# Allegro board 6089-103-RevB_76.brd (continued)
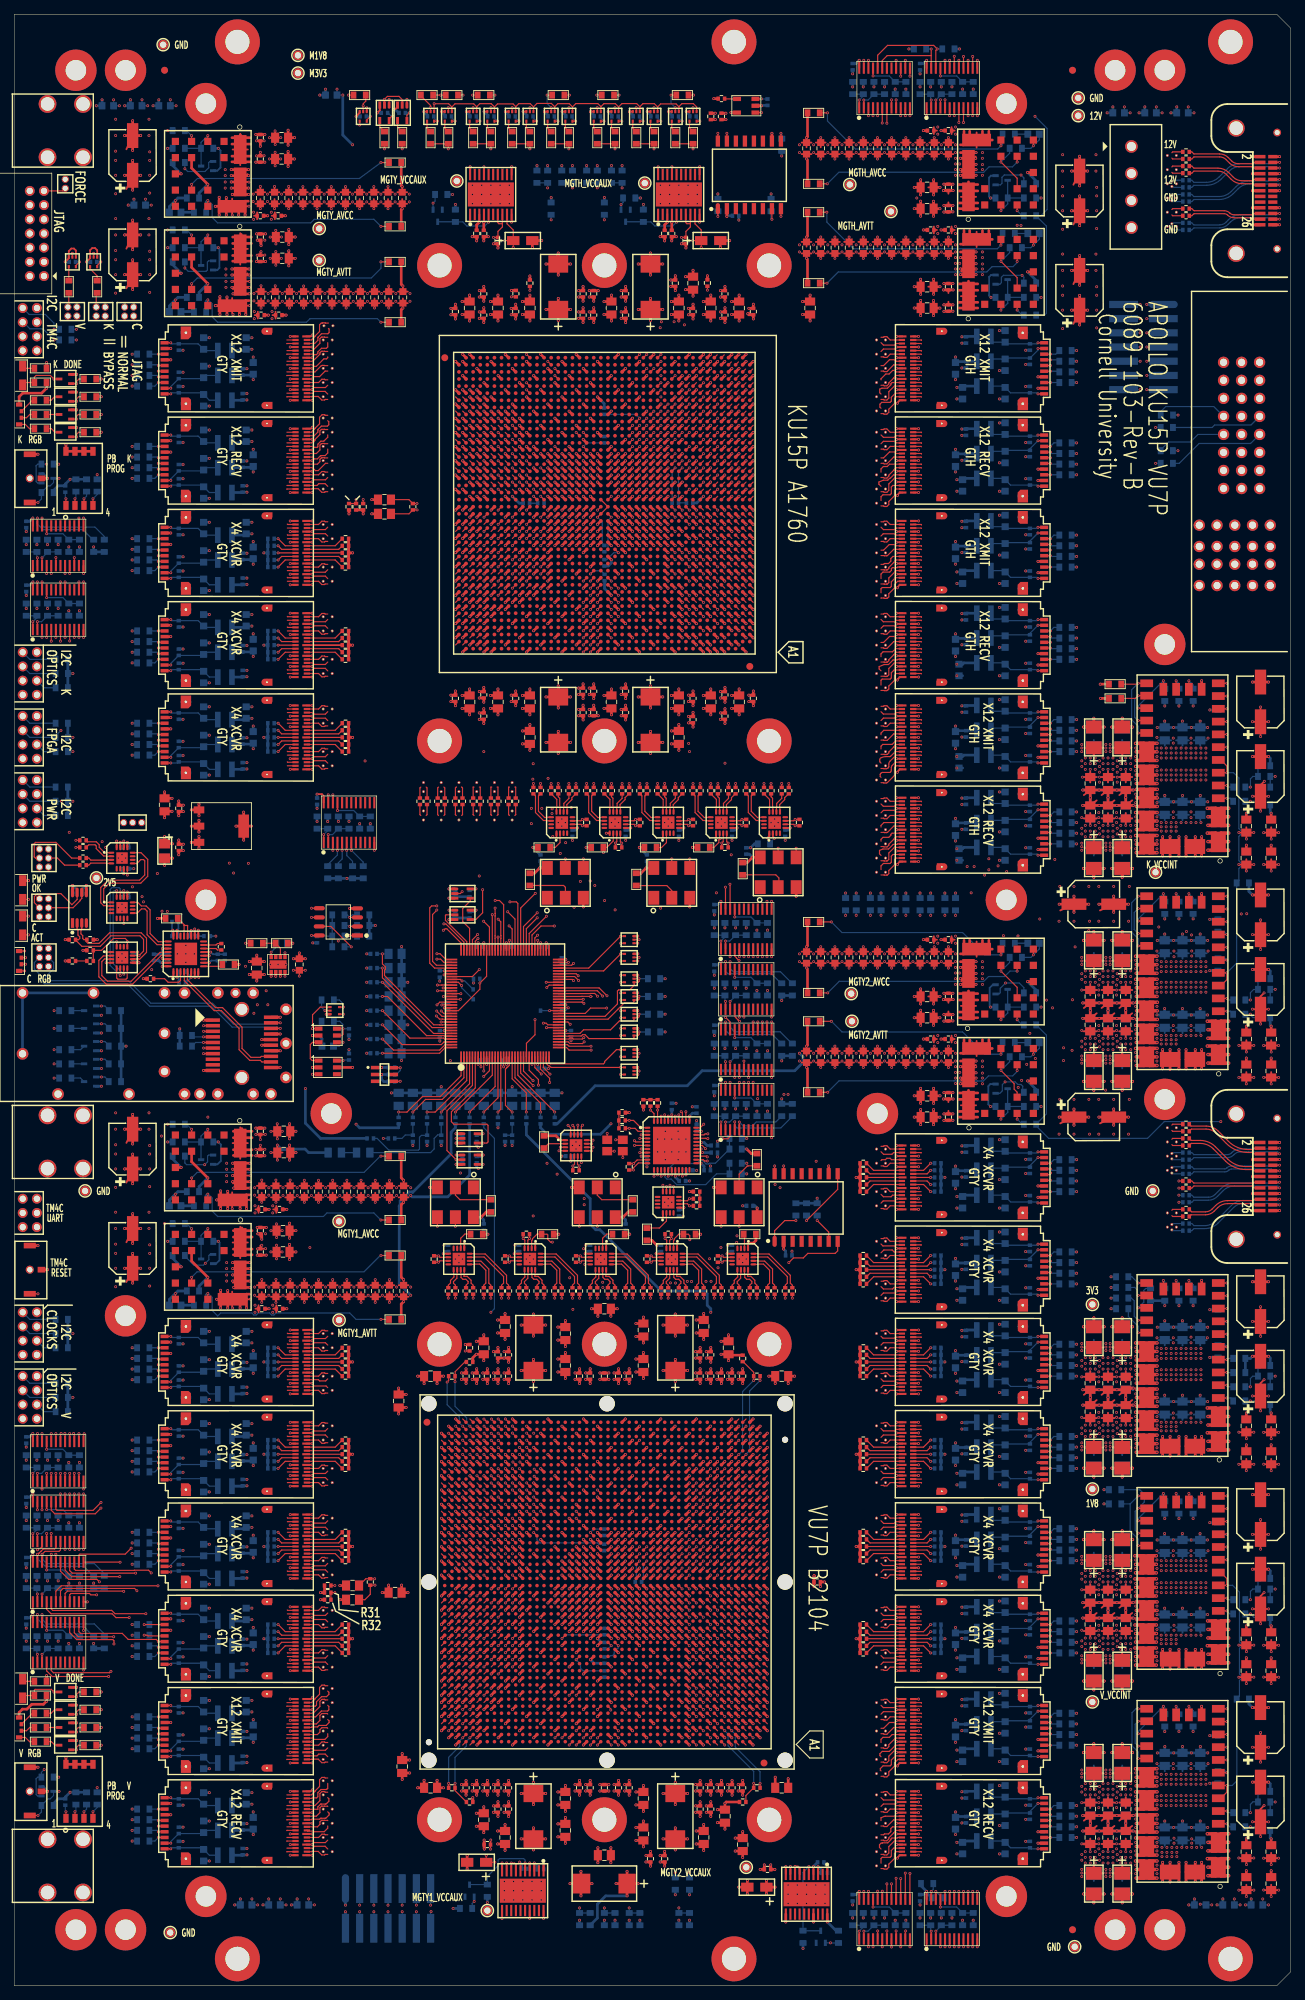
[diagram p0: board, top side]
## Footprints (pads in the part's own frame, mm; a bottom-side part is the same pattern mirrored in y, then rotated) (continued)
FPGA_B2104_IRONWOOD_6444
  round 2.184 hole 2.21 unplated: (-25.476,25.121) (-25.476,0) (-25.476,-25.121) (-0.381,25.121) (-0.381,-25.121) (24.74,25.121) (24.74,0) (24.74,-25.121)
  round 0.864 hole 0.864 unplated: (-25.476,-20.041) (24.74,22.581)
  round 6.35 hole 3.404: (-23.241,33.503) (-23.241,-33.503) (0,33.503) (0,-33.503) (23.241,33.503) (23.241,-33.503)
  round 0.991 smd: (-22.506,25.506) (25.006,-22.506)
  round 0.508 smd: A3(-20.498,22.504) A4(-19.507,22.504) A5(-18.491,22.504) A6(-17.501,22.504) A7(-16.51,22.504) A8(-15.494,22.504) A9(-14.503,22.504) A10(-13.487,22.504) A11(-12.497,22.504) A12(-11.506,22.504) A13(-10.49,22.504) A14(-9.5,22.504) A15(-8.509,22.504) A16(-7.493,22.504) A17(-6.502,22.504) A18(-5.512,22.504) A19(-4.496,22.504) A20(-3.505,22.504) A21(-2.489,22.504) A22(-1.499,22.504) A23(-0.508,22.504) A24(0.508,22.504) A25(1.499,22.504) A26(2.489,22.504) A27(3.505,22.504) A28(4.496,22.504) A29(5.512,22.504) A30(6.502,22.504) A31(7.493,22.504) A32(8.509,22.504) A33(9.5,22.504) A34(10.49,22.504) A35(11.506,22.504) A36(12.497,22.504) A37(13.487,22.504) A38(14.503,22.504) A39(15.494,22.504) A40(16.51,22.504) A41(17.501,22.504) A42(18.491,22.504) A43(19.507,22.504) A44(20.498,22.504) AA1(-22.504,2.489) AA2(-21.488,2.489) AA3(-20.498,2.489) AA4(-19.507,2.489) AA5(-18.491,2.489) AA6(-17.501,2.489) AA7(-16.51,2.489) AA8(-15.494,2.489) AA9(-14.503,2.489) AA10(-13.487,2.489) AA11(-12.497,2.489) AA12(-11.506,2.489) AA13(-10.49,2.489) AA14(-9.5,2.489) AA15(-8.509,2.489) AA16(-7.493,2.489) AA17(-6.502,2.489) AA18(-5.512,2.489) AA19(-4.496,2.489) AA20(-3.505,2.489) AA21(-2.489,2.489) AA22(-1.499,2.489) AA23(-0.508,2.489) AA24(0.508,2.489) AA25(1.499,2.489) AA26(2.489,2.489) AA27(3.505,2.489) AA28(4.496,2.489) AA29(5.512,2.489) AA30(6.502,2.489) AA31(7.493,2.489) AA32(8.509,2.489) AA33(9.5,2.489) AA34(10.49,2.489) AA35(11.506,2.489) AA36(12.497,2.489) AA37(13.487,2.489) AA38(14.503,2.489) AA39(15.494,2.489) AA40(16.51,2.489) AA41(17.501,2.489) AA42(18.491,2.489) AA43(19.507,2.489) AA44(20.498,2.489) AA45(21.488,2.489) AA46(22.504,2.489) AB1(-22.504,1.499) AB2(-21.488,1.499) AB3(-20.498,1.499) AB4(-19.507,1.499) AB5(-18.491,1.499) AB6(-17.501,1.499) AB7(-16.51,1.499) AB8(-15.494,1.499) AB9(-14.503,1.499) AB10(-13.487,1.499) AB11(-12.497,1.499) AB12(-11.506,1.499) AB13(-10.49,1.499) AB14(-9.5,1.499) AB15(-8.509,1.499) AB16(-7.493,1.499) AB17(-6.502,1.499) AB18(-5.512,1.499) AB19(-4.496,1.499) AB20(-3.505,1.499) AB21(-2.489,1.499) AB22(-1.499,1.499) AB23(-0.508,1.499) AB24(0.508,1.499) AB25(1.499,1.499) AB26(2.489,1.499) AB27(3.505,1.499) AB28(4.496,1.499) AB29(5.512,1.499) AB30(6.502,1.499) AB31(7.493,1.499) AB32(8.509,1.499) AB33(9.5,1.499) AB34(10.49,1.499) AB35(11.506,1.499) AB36(12.497,1.499) AB37(13.487,1.499) AB38(14.503,1.499) AB39(15.494,1.499) AB40(16.51,1.499) AB41(17.501,1.499) AB42(18.491,1.499) AB43(19.507,1.499) AB44(20.498,1.499) AB45(21.488,1.499) AB46(22.504,1.499) AC1(-22.504,0.508) AC2(-21.488,0.508) AC3(-20.498,0.508) AC4(-19.507,0.508) AC5(-18.491,0.508) AC6(-17.501,0.508) AC7(-16.51,0.508) AC8(-15.494,0.508) AC9(-14.503,0.508) AC10(-13.487,0.508) AC11(-12.497,0.508) AC12(-11.506,0.508) AC13(-10.49,0.508) AC14(-9.5,0.508) AC15(-8.509,0.508) AC16(-7.493,0.508) AC17(-6.502,0.508) AC18(-5.512,0.508) AC19(-4.496,0.508) AC20(-3.505,0.508) AC21(-2.489,0.508) AC22(-1.499,0.508) AC23(-0.508,0.508) AC24(0.508,0.508) AC25(1.499,0.508) AC26(2.489,0.508) AC27(3.505,0.508) AC28(4.496,0.508) AC29(5.512,0.508) AC30(6.502,0.508) AC31(7.493,0.508) AC32(8.509,0.508) AC33(9.5,0.508) AC34(10.49,0.508) AC35(11.506,0.508) AC36(12.497,0.508) AC37(13.487,0.508) AC38(14.503,0.508) AC39(15.494,0.508) AC40(16.51,0.508) AC41(17.501,0.508) AC42(18.491,0.508) AC43(19.507,0.508) AC44(20.498,0.508) AC45(21.488,0.508) AC46(22.504,0.508) AD1(-22.504,-0.508) AD2(-21.488,-0.508) AD3(-20.498,-0.508) AD4(-19.507,-0.508) AD5(-18.491,-0.508) AD6(-17.501,-0.508) AD7(-16.51,-0.508) AD8(-15.494,-0.508) AD9(-14.503,-0.508) AD10(-13.487,-0.508) AD11(-12.497,-0.508) AD12(-11.506,-0.508) AD13(-10.49,-0.508) AD14(-9.5,-0.508) AD15(-8.509,-0.508) AD16(-7.493,-0.508) AD17(-6.502,-0.508) AD18(-5.512,-0.508) AD19(-4.496,-0.508) AD20(-3.505,-0.508) AD21(-2.489,-0.508) AD22(-1.499,-0.508) AD23(-0.508,-0.508) AD24(0.508,-0.508) AD25(1.499,-0.508) AD26(2.489,-0.508) AD27(3.505,-0.508) AD28(4.496,-0.508) AD29(5.512,-0.508) AD30(6.502,-0.508) AD31(7.493,-0.508) AD32(8.509,-0.508) AD33(9.5,-0.508) AD34(10.49,-0.508) AD35(11.506,-0.508) AD36(12.497,-0.508) AD37(13.487,-0.508) AD38(14.503,-0.508) AD39(15.494,-0.508) AD40(16.51,-0.508) AD41(17.501,-0.508) AD42(18.491,-0.508) AD43(19.507,-0.508) AD44(20.498,-0.508) AD45(21.488,-0.508) AD46(22.504,-0.508) AE1(-22.504,-1.499) AE2(-21.488,-1.499) AE3(-20.498,-1.499) AE4(-19.507,-1.499) AE5(-18.491,-1.499) AE6(-17.501,-1.499) AE7(-16.51,-1.499) AE8(-15.494,-1.499) AE9(-14.503,-1.499) AE10(-13.487,-1.499) AE11(-12.497,-1.499) AE12(-11.506,-1.499) AE13(-10.49,-1.499) AE14(-9.5,-1.499) AE15(-8.509,-1.499) AE16(-7.493,-1.499) AE17(-6.502,-1.499) AE18(-5.512,-1.499) AE19(-4.496,-1.499) AE20(-3.505,-1.499) AE21(-2.489,-1.499) AE22(-1.499,-1.499) AE23(-0.508,-1.499) AE24(0.508,-1.499) AE25(1.499,-1.499) AE26(2.489,-1.499) AE27(3.505,-1.499) AE28(4.496,-1.499) AE29(5.512,-1.499) AE30(6.502,-1.499) AE31(7.493,-1.499) AE32(8.509,-1.499) AE33(9.5,-1.499) AE34(10.49,-1.499) AE35(11.506,-1.499) AE36(12.497,-1.499) AE37(13.487,-1.499) AE38(14.503,-1.499) AE39(15.494,-1.499) AE40(16.51,-1.499) AE41(17.501,-1.499) AE42(18.491,-1.499) AE43(19.507,-1.499) AE44(20.498,-1.499) AE45(21.488,-1.499) AE46(22.504,-1.499) AF1(-22.504,-2.489) AF2(-21.488,-2.489) AF3(-20.498,-2.489) AF4(-19.507,-2.489) AF5(-18.491,-2.489) AF6(-17.501,-2.489) AF7(-16.51,-2.489) AF8(-15.494,-2.489) AF9(-14.503,-2.489) AF10(-13.487,-2.489) AF11(-12.497,-2.489) AF12(-11.506,-2.489) AF13(-10.49,-2.489) AF14(-9.5,-2.489) AF15(-8.509,-2.489) AF16(-7.493,-2.489) AF17(-6.502,-2.489) AF18(-5.512,-2.489) AF19(-4.496,-2.489) AF20(-3.505,-2.489) AF21(-2.489,-2.489) AF22(-1.499,-2.489) AF23(-0.508,-2.489) AF24(0.508,-2.489) AF25(1.499,-2.489) AF26(2.489,-2.489) AF27(3.505,-2.489) AF28(4.496,-2.489) AF29(5.512,-2.489) AF30(6.502,-2.489) AF31(7.493,-2.489) AF32(8.509,-2.489) AF33(9.5,-2.489) AF34(10.49,-2.489) AF35(11.506,-2.489) AF36(12.497,-2.489) AF37(13.487,-2.489) AF38(14.503,-2.489) AF39(15.494,-2.489) AF40(16.51,-2.489) AF41(17.501,-2.489) AF42(18.491,-2.489) AF43(19.507,-2.489) AF44(20.498,-2.489) AF45(21.488,-2.489) AF46(22.504,-2.489) AG1(-22.504,-3.505) AG2(-21.488,-3.505) AG3(-20.498,-3.505) AG4(-19.507,-3.505) AG5(-18.491,-3.505) AG6(-17.501,-3.505) AG7(-16.51,-3.505) AG8(-15.494,-3.505) AG9(-14.503,-3.505) AG10(-13.487,-3.505) AG11(-12.497,-3.505) AG12(-11.506,-3.505) AG13(-10.49,-3.505) AG14(-9.5,-3.505) AG15(-8.509,-3.505) AG16(-7.493,-3.505) AG17(-6.502,-3.505) AG18(-5.512,-3.505) AG19(-4.496,-3.505) AG20(-3.505,-3.505) AG21(-2.489,-3.505) AG22(-1.499,-3.505) AG23(-0.508,-3.505) AG24(0.508,-3.505) AG25(1.499,-3.505) AG26(2.489,-3.505) AG27(3.505,-3.505) AG28(4.496,-3.505) AG29(5.512,-3.505) AG30(6.502,-3.505) AG31(7.493,-3.505) AG32(8.509,-3.505) AG33(9.5,-3.505) AG34(10.49,-3.505) AG35(11.506,-3.505) AG36(12.497,-3.505) AG37(13.487,-3.505) AG38(14.503,-3.505) AG39(15.494,-3.505) AG40(16.51,-3.505) AG41(17.501,-3.505) AG42(18.491,-3.505) AG43(19.507,-3.505) AG44(20.498,-3.505) AG45(21.488,-3.505) AG46(22.504,-3.505) AH1(-22.504,-4.496) AH2(-21.488,-4.496) AH3(-20.498,-4.496) AH4(-19.507,-4.496) AH5(-18.491,-4.496) AH6(-17.501,-4.496) AH7(-16.51,-4.496) AH8(-15.494,-4.496) AH9(-14.503,-4.496) AH10(-13.487,-4.496) AH11(-12.497,-4.496) AH12(-11.506,-4.496) AH13(-10.49,-4.496) AH14(-9.5,-4.496) AH15(-8.509,-4.496) AH16(-7.493,-4.496) AH17(-6.502,-4.496) AH18(-5.512,-4.496) AH19(-4.496,-4.496) AH20(-3.505,-4.496) AH21(-2.489,-4.496) AH22(-1.499,-4.496) AH23(-0.508,-4.496) AH24(0.508,-4.496) AH25(1.499,-4.496) AH26(2.489,-4.496) AH27(3.505,-4.496) AH28(4.496,-4.496) AH29(5.512,-4.496) AH30(6.502,-4.496) AH31(7.493,-4.496) AH32(8.509,-4.496) AH33(9.5,-4.496) AH34(10.49,-4.496) AH35(11.506,-4.496) AH36(12.497,-4.496) AH37(13.487,-4.496) AH38(14.503,-4.496) AH39(15.494,-4.496) AH40(16.51,-4.496) AH41(17.501,-4.496) AH42(18.491,-4.496) AH43(19.507,-4.496) AH44(20.498,-4.496) AH45(21.488,-4.496) AH46(22.504,-4.496) AJ1(-22.504,-5.512) AJ2(-21.488,-5.512) AJ3(-20.498,-5.512) AJ4(-19.507,-5.512) AJ5(-18.491,-5.512) AJ6(-17.501,-5.512) AJ7(-16.51,-5.512) AJ8(-15.494,-5.512) AJ9(-14.503,-5.512) AJ10(-13.487,-5.512) AJ11(-12.497,-5.512) AJ12(-11.506,-5.512) AJ13(-10.49,-5.512) AJ14(-9.5,-5.512) AJ15(-8.509,-5.512) AJ16(-7.493,-5.512) AJ17(-6.502,-5.512) AJ18(-5.512,-5.512) AJ19(-4.496,-5.512) AJ20(-3.505,-5.512) AJ21(-2.489,-5.512) AJ22(-1.499,-5.512) AJ23(-0.508,-5.512) AJ24(0.508,-5.512) AJ25(1.499,-5.512) AJ26(2.489,-5.512) AJ27(3.505,-5.512) AJ28(4.496,-5.512) AJ29(5.512,-5.512) AJ30(6.502,-5.512) AJ31(7.493,-5.512) AJ32(8.509,-5.512) AJ33(9.5,-5.512) AJ34(10.49,-5.512) AJ35(11.506,-5.512) AJ36(12.497,-5.512) AJ37(13.487,-5.512) AJ38(14.503,-5.512) AJ39(15.494,-5.512) AJ40(16.51,-5.512) AJ41(17.501,-5.512) AJ42(18.491,-5.512) AJ43(19.507,-5.512) AJ44(20.498,-5.512) AJ45(21.488,-5.512) AJ46(22.504,-5.512) AK1(-22.504,-6.502) AK2(-21.488,-6.502) AK3(-20.498,-6.502) AK4(-19.507,-6.502) AK5(-18.491,-6.502) AK6(-17.501,-6.502) AK7(-16.51,-6.502) AK8(-15.494,-6.502) AK9(-14.503,-6.502) AK10(-13.487,-6.502) AK11(-12.497,-6.502) AK12(-11.506,-6.502) AK13(-10.49,-6.502) AK14(-9.5,-6.502) AK15(-8.509,-6.502) AK16(-7.493,-6.502) AK17(-6.502,-6.502) AK18(-5.512,-6.502) AK19(-4.496,-6.502) AK20(-3.505,-6.502) AK21(-2.489,-6.502) AK22(-1.499,-6.502) AK23(-0.508,-6.502) AK24(0.508,-6.502) AK25(1.499,-6.502) AK26(2.489,-6.502) AK27(3.505,-6.502) AK28(4.496,-6.502) AK29(5.512,-6.502) AK30(6.502,-6.502) AK31(7.493,-6.502) AK32(8.509,-6.502) AK33(9.5,-6.502) AK34(10.49,-6.502) AK35(11.506,-6.502) AK36(12.497,-6.502) AK37(13.487,-6.502) AK38(14.503,-6.502) AK39(15.494,-6.502) AK40(16.51,-6.502) AK41(17.501,-6.502) AK42(18.491,-6.502) AK43(19.507,-6.502) AK44(20.498,-6.502) AK45(21.488,-6.502) AK46(22.504,-6.502) AL1(-22.504,-7.493) AL2(-21.488,-7.493) AL3(-20.498,-7.493) AL4(-19.507,-7.493) AL5(-18.491,-7.493) AL6(-17.501,-7.493) AL7(-16.51,-7.493) AL8(-15.494,-7.493) AL9(-14.503,-7.493) AL10(-13.487,-7.493) AL11(-12.497,-7.493) AL12(-11.506,-7.493) AL13(-10.49,-7.493) AL14(-9.5,-7.493) AL15(-8.509,-7.493) AL16(-7.493,-7.493) AL17(-6.502,-7.493) AL18(-5.512,-7.493) AL19(-4.496,-7.493) AL20(-3.505,-7.493) AL21(-2.489,-7.493) AL22(-1.499,-7.493) AL23(-0.508,-7.493) AL24(0.508,-7.493) AL25(1.499,-7.493) AL26(2.489,-7.493) AL27(3.505,-7.493) AL28(4.496,-7.493) AL29(5.512,-7.493) AL30(6.502,-7.493) AL31(7.493,-7.493) AL32(8.509,-7.493) AL33(9.5,-7.493) AL34(10.49,-7.493) AL35(11.506,-7.493) AL36(12.497,-7.493) AL37(13.487,-7.493) AL38(14.503,-7.493) AL39(15.494,-7.493) AL40(16.51,-7.493) AL41(17.501,-7.493) AL42(18.491,-7.493) AL43(19.507,-7.493) AL44(20.498,-7.493) AL45(21.488,-7.493) AL46(22.504,-7.493) AM1(-22.504,-8.509) AM2(-21.488,-8.509) AM3(-20.498,-8.509) AM4(-19.507,-8.509) AM5(-18.491,-8.509) AM6(-17.501,-8.509) AM7(-16.51,-8.509) AM8(-15.494,-8.509) AM9(-14.503,-8.509) AM10(-13.487,-8.509) AM11(-12.497,-8.509) AM12(-11.506,-8.509) AM13(-10.49,-8.509) AM14(-9.5,-8.509) AM15(-8.509,-8.509) AM16(-7.493,-8.509) AM17(-6.502,-8.509) AM18(-5.512,-8.509) AM19(-4.496,-8.509) AM20(-3.505,-8.509) AM21(-2.489,-8.509) AM22(-1.499,-8.509) AM23(-0.508,-8.509) AM24(0.508,-8.509) AM25(1.499,-8.509) AM26(2.489,-8.509) AM27(3.505,-8.509) AM28(4.496,-8.509) AM29(5.512,-8.509) AM30(6.502,-8.509) AM31(7.493,-8.509) AM32(8.509,-8.509) AM33(9.5,-8.509) AM34(10.49,-8.509) AM35(11.506,-8.509) AM36(12.497,-8.509) AM37(13.487,-8.509) AM38(14.503,-8.509) AM39(15.494,-8.509) AM40(16.51,-8.509) AM41(17.501,-8.509) AM42(18.491,-8.509) AM43(19.507,-8.509) AM44(20.498,-8.509) AM45(21.488,-8.509) AM46(22.504,-8.509) AN1(-22.504,-9.5) AN2(-21.488,-9.5) AN3(-20.498,-9.5) AN4(-19.507,-9.5) AN5(-18.491,-9.5) AN6(-17.501,-9.5) AN7(-16.51,-9.5) AN8(-15.494,-9.5) AN9(-14.503,-9.5) AN10(-13.487,-9.5) AN11(-12.497,-9.5) AN12(-11.506,-9.5) AN13(-10.49,-9.5) AN14(-9.5,-9.5) AN15(-8.509,-9.5) AN16(-7.493,-9.5) AN17(-6.502,-9.5) AN18(-5.512,-9.5) AN19(-4.496,-9.5) AN20(-3.505,-9.5) AN21(-2.489,-9.5) AN22(-1.499,-9.5) AN23(-0.508,-9.5) AN24(0.508,-9.5) AN25(1.499,-9.5) AN26(2.489,-9.5) AN27(3.505,-9.5) AN28(4.496,-9.5) AN29(5.512,-9.5) AN30(6.502,-9.5) AN31(7.493,-9.5) AN32(8.509,-9.5) AN33(9.5,-9.5) AN34(10.49,-9.5) AN35(11.506,-9.5) AN36(12.497,-9.5) AN37(13.487,-9.5) AN38(14.503,-9.5) AN39(15.494,-9.5) AN40(16.51,-9.5) AN41(17.501,-9.5) AN42(18.491,-9.5) AN43(19.507,-9.5) AN44(20.498,-9.5) AN45(21.488,-9.5) AN46(22.504,-9.5) AP1(-22.504,-10.49) AP2(-21.488,-10.49) AP3(-20.498,-10.49) AP4(-19.507,-10.49) AP5(-18.491,-10.49) AP6(-17.501,-10.49) AP7(-16.51,-10.49) AP8(-15.494,-10.49) AP9(-14.503,-10.49) AP10(-13.487,-10.49) AP11(-12.497,-10.49) AP12(-11.506,-10.49) AP13(-10.49,-10.49) AP14(-9.5,-10.49) AP15(-8.509,-10.49) AP16(-7.493,-10.49) AP17(-6.502,-10.49) AP18(-5.512,-10.49) AP19(-4.496,-10.49) AP20(-3.505,-10.49) AP21(-2.489,-10.49) AP22(-1.499,-10.49) AP23(-0.508,-10.49) AP24(0.508,-10.49) AP25(1.499,-10.49) AP26(2.489,-10.49) AP27(3.505,-10.49) AP28(4.496,-10.49) AP29(5.512,-10.49) AP30(6.502,-10.49) AP31(7.493,-10.49) AP32(8.509,-10.49) AP33(9.5,-10.49) AP34(10.49,-10.49) AP35(11.506,-10.49) AP36(12.497,-10.49) AP37(13.487,-10.49) AP38(14.503,-10.49) AP39(15.494,-10.49) AP40(16.51,-10.49) AP41(17.501,-10.49) AP42(18.491,-10.49) AP43(19.507,-10.49) AP44(20.498,-10.49) AP45(21.488,-10.49) AP46(22.504,-10.49) AR1(-22.504,-11.506) AR2(-21.488,-11.506) AR3(-20.498,-11.506) AR4(-19.507,-11.506) AR5(-18.491,-11.506) AR6(-17.501,-11.506) AR7(-16.51,-11.506) AR8(-15.494,-11.506) AR9(-14.503,-11.506) AR10(-13.487,-11.506) AR11(-12.497,-11.506) AR12(-11.506,-11.506) AR13(-10.49,-11.506) AR14(-9.5,-11.506) AR15(-8.509,-11.506) AR16(-7.493,-11.506) AR17(-6.502,-11.506) AR18(-5.512,-11.506) AR19(-4.496,-11.506) AR20(-3.505,-11.506) AR21(-2.489,-11.506) AR22(-1.499,-11.506) AR23(-0.508,-11.506) AR24(0.508,-11.506) AR25(1.499,-11.506) AR26(2.489,-11.506) AR27(3.505,-11.506) AR28(4.496,-11.506) AR29(5.512,-11.506) AR30(6.502,-11.506) AR31(7.493,-11.506) AR32(8.509,-11.506) AR33(9.5,-11.506) AR34(10.49,-11.506) AR35(11.506,-11.506) AR36(12.497,-11.506) AR37(13.487,-11.506) AR38(14.503,-11.506) AR39(15.494,-11.506) AR40(16.51,-11.506) AR41(17.501,-11.506) AR42(18.491,-11.506) AR43(19.507,-11.506) AR44(20.498,-11.506) AR45(21.488,-11.506) AR46(22.504,-11.506) AT1(-22.504,-12.497) AT2(-21.488,-12.497) AT3(-20.498,-12.497) AT4(-19.507,-12.497) AT5(-18.491,-12.497) AT6(-17.501,-12.497) AT7(-16.51,-12.497) AT8(-15.494,-12.497) AT9(-14.503,-12.497) AT10(-13.487,-12.497) AT11(-12.497,-12.497) AT12(-11.506,-12.497) AT13(-10.49,-12.497) AT14(-9.5,-12.497) AT15(-8.509,-12.497) AT16(-7.493,-12.497) AT17(-6.502,-12.497) AT18(-5.512,-12.497) AT19(-4.496,-12.497) AT20(-3.505,-12.497) AT21(-2.489,-12.497) AT22(-1.499,-12.497) AT23(-0.508,-12.497) AT24(0.508,-12.497) AT25(1.499,-12.497) AT26(2.489,-12.497) AT27(3.505,-12.497) AT28(4.496,-12.497) AT29(5.512,-12.497) AT30(6.502,-12.497) AT31(7.493,-12.497) AT32(8.509,-12.497) AT33(9.5,-12.497) AT34(10.49,-12.497) AT35(11.506,-12.497) AT36(12.497,-12.497) AT37(13.487,-12.497) AT38(14.503,-12.497) AT39(15.494,-12.497) AT40(16.51,-12.497) AT41(17.501,-12.497) AT42(18.491,-12.497) AT43(19.507,-12.497) AT44(20.498,-12.497) AT45(21.488,-12.497) AT46(22.504,-12.497) AU1(-22.504,-13.487) AU2(-21.488,-13.487) AU3(-20.498,-13.487) AU4(-19.507,-13.487) AU5(-18.491,-13.487) AU6(-17.501,-13.487) AU7(-16.51,-13.487) AU8(-15.494,-13.487) AU9(-14.503,-13.487) AU10(-13.487,-13.487) AU11(-12.497,-13.487) AU12(-11.506,-13.487) AU13(-10.49,-13.487) AU14(-9.5,-13.487) AU15(-8.509,-13.487) AU16(-7.493,-13.487) AU17(-6.502,-13.487) AU18(-5.512,-13.487) AU19(-4.496,-13.487) AU20(-3.505,-13.487) AU21(-2.489,-13.487) AU22(-1.499,-13.487) AU23(-0.508,-13.487) AU24(0.508,-13.487) AU25(1.499,-13.487) AU26(2.489,-13.487) AU27(3.505,-13.487) AU28(4.496,-13.487) AU29(5.512,-13.487) AU30(6.502,-13.487) AU31(7.493,-13.487) AU32(8.509,-13.487) AU33(9.5,-13.487) AU34(10.49,-13.487) AU35(11.506,-13.487) AU36(12.497,-13.487) AU37(13.487,-13.487) AU38(14.503,-13.487) AU39(15.494,-13.487) AU40(16.51,-13.487) AU41(17.501,-13.487) AU42(18.491,-13.487) AU43(19.507,-13.487) AU44(20.498,-13.487) AU45(21.488,-13.487) AU46(22.504,-13.487) AV1(-22.504,-14.503) AV2(-21.488,-14.503) AV3(-20.498,-14.503) AV4(-19.507,-14.503) AV5(-18.491,-14.503) AV6(-17.501,-14.503) AV7(-16.51,-14.503) AV8(-15.494,-14.503) AV9(-14.503,-14.503) AV10(-13.487,-14.503) AV11(-12.497,-14.503) AV12(-11.506,-14.503) AV13(-10.49,-14.503) AV14(-9.5,-14.503) AV15(-8.509,-14.503) AV16(-7.493,-14.503) AV17(-6.502,-14.503) AV18(-5.512,-14.503) AV19(-4.496,-14.503) AV20(-3.505,-14.503) AV21(-2.489,-14.503) AV22(-1.499,-14.503) AV23(-0.508,-14.503) AV24(0.508,-14.503) AV25(1.499,-14.503) AV26(2.489,-14.503) AV27(3.505,-14.503) AV28(4.496,-14.503) AV29(5.512,-14.503) AV30(6.502,-14.503) AV31(7.493,-14.503) AV32(8.509,-14.503) AV33(9.5,-14.503) AV34(10.49,-14.503) AV35(11.506,-14.503) AV36(12.497,-14.503) AV37(13.487,-14.503) AV38(14.503,-14.503) AV39(15.494,-14.503) AV40(16.51,-14.503) AV41(17.501,-14.503) AV42(18.491,-14.503) AV43(19.507,-14.503) AV44(20.498,-14.503) AV45(21.488,-14.503) AV46(22.504,-14.503) AW1(-22.504,-15.494) AW2(-21.488,-15.494) AW3(-20.498,-15.494) AW4(-19.507,-15.494) AW5(-18.491,-15.494) AW6(-17.501,-15.494) AW7(-16.51,-15.494) AW8(-15.494,-15.494) AW9(-14.503,-15.494) AW10(-13.487,-15.494) AW11(-12.497,-15.494) AW12(-11.506,-15.494) AW13(-10.49,-15.494) AW14(-9.5,-15.494) AW15(-8.509,-15.494) AW16(-7.493,-15.494) AW17(-6.502,-15.494) AW18(-5.512,-15.494) AW19(-4.496,-15.494) AW20(-3.505,-15.494) AW21(-2.489,-15.494) AW22(-1.499,-15.494) AW23(-0.508,-15.494) AW24(0.508,-15.494) AW25(1.499,-15.494) AW26(2.489,-15.494) AW27(3.505,-15.494) AW28(4.496,-15.494) AW29(5.512,-15.494) AW30(6.502,-15.494) AW31(7.493,-15.494) AW32(8.509,-15.494) AW33(9.5,-15.494) AW34(10.49,-15.494) AW35(11.506,-15.494) AW36(12.497,-15.494) AW37(13.487,-15.494) AW38(14.503,-15.494) AW39(15.494,-15.494) AW40(16.51,-15.494) AW41(17.501,-15.494) AW42(18.491,-15.494) AW43(19.507,-15.494) AW44(20.498,-15.494) AW45(21.488,-15.494) AW46(22.504,-15.494) AY1(-22.504,-16.51) AY2(-21.488,-16.51) AY3(-20.498,-16.51) AY4(-19.507,-16.51) AY5(-18.491,-16.51) AY6(-17.501,-16.51) AY7(-16.51,-16.51) AY8(-15.494,-16.51) AY9(-14.503,-16.51) AY10(-13.487,-16.51) AY11(-12.497,-16.51) AY12(-11.506,-16.51) AY13(-10.49,-16.51) AY14(-9.5,-16.51) AY15(-8.509,-16.51) AY16(-7.493,-16.51) AY17(-6.502,-16.51) AY18(-5.512,-16.51) AY19(-4.496,-16.51) AY20(-3.505,-16.51) AY21(-2.489,-16.51) AY22(-1.499,-16.51) AY23(-0.508,-16.51) AY24(0.508,-16.51) AY25(1.499,-16.51) AY26(2.489,-16.51) AY27(3.505,-16.51) AY28(4.496,-16.51) AY29(5.512,-16.51) AY30(6.502,-16.51) AY31(7.493,-16.51) AY32(8.509,-16.51) AY33(9.5,-16.51) AY34(10.49,-16.51) AY35(11.506,-16.51) AY36(12.497,-16.51) AY37(13.487,-16.51) AY38(14.503,-16.51) AY39(15.494,-16.51) AY40(16.51,-16.51) AY41(17.501,-16.51) AY42(18.491,-16.51) AY43(19.507,-16.51) AY44(20.498,-16.51) AY45(21.488,-16.51) AY46(22.504,-16.51) B2(-21.488,21.488) B3(-20.498,21.488) B4(-19.507,21.488) B5(-18.491,21.488) B6(-17.501,21.488) B7(-16.51,21.488) B8(-15.494,21.488) B9(-14.503,21.488) B10(-13.487,21.488) B11(-12.497,21.488) B12(-11.506,21.488) B13(-10.49,21.488) B14(-9.5,21.488) B15(-8.509,21.488) B16(-7.493,21.488) B17(-6.502,21.488) B18(-5.512,21.488) B19(-4.496,21.488) B20(-3.505,21.488) B21(-2.489,21.488) B22(-1.499,21.488) B23(-0.508,21.488) B24(0.508,21.488) B25(1.499,21.488) B26(2.489,21.488) B27(3.505,21.488) B28(4.496,21.488) B29(5.512,21.488) B30(6.502,21.488) B31(7.493,21.488) B32(8.509,21.488) B33(9.5,21.488) B34(10.49,21.488) B35(11.506,21.488) B36(12.497,21.488) B37(13.487,21.488) B38(14.503,21.488) B39(15.494,21.488) B40(16.51,21.488) B41(17.501,21.488) B42(18.491,21.488) B43(19.507,21.488) B44(20.498,21.488) B45(21.488,21.488) BA1(-22.504,-17.501) BA2(-21.488,-17.501) BA3(-20.498,-17.501) BA4(-19.507,-17.501) BA5(-18.491,-17.501) BA6(-17.501,-17.501) BA7(-16.51,-17.501) BA8(-15.494,-17.501) BA9(-14.503,-17.501) BA10(-13.487,-17.501) BA11(-12.497,-17.501) BA12(-11.506,-17.501) BA13(-10.49,-17.501) 